# KiCad board bkp_austin.kicad_pcb (continued)
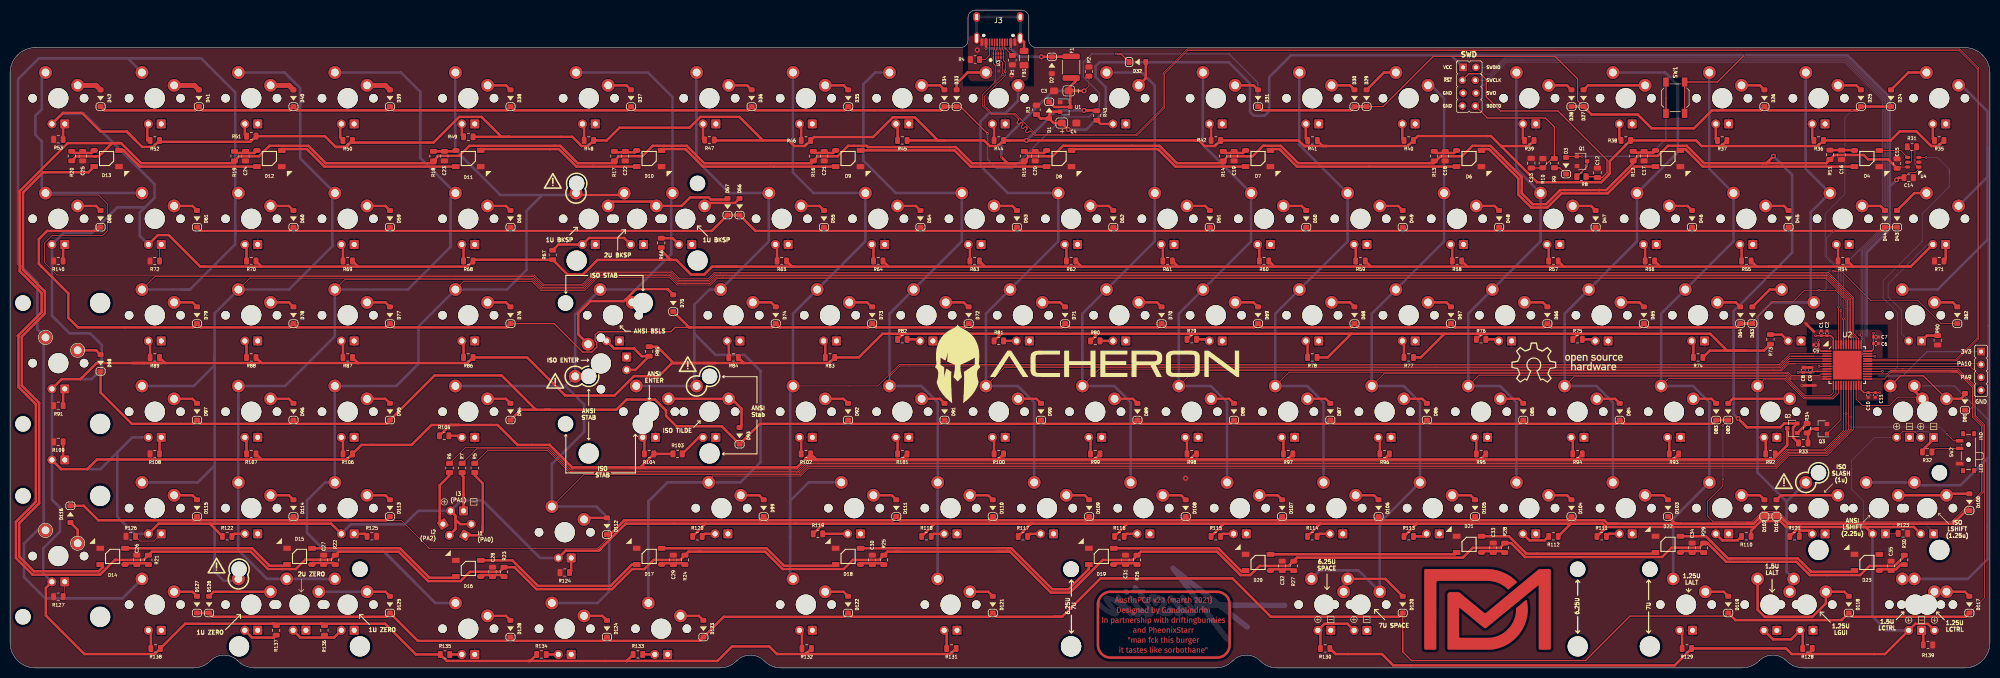
[diagram p0: board, top side]
## Placement (name value [footprint] x y rotation side) (continued)
R121  470R  [R_0805_2012Metric#2]  352.43 25.97 0 top
R122  470R  [R_0805_2012Metric#2]  42.86 25.97 0 top
R123  470R  [R_0805_2012Metric#2]  373.83 26.56 0 top
R124  470R  [R_0805_2012Metric#2]  109.54 18.83 180 top
R125  470R  [R_0805_2012Metric#2]  71.44 25.97 0 top
R126  470R  [R_0805_2012Metric#2]  23.81 25.97 0 top
R127  470R  [R_0805_2012Metric#2]  9.53 14.07 180 top
R128  470R  [R_0805_2012Metric#2]  354.97 3.84 180 top
R129  470R  [R_0805_2012Metric#2]  331.16 3.84 180 top
R130  470R  [R_0805_2012Metric#2]  259.72 3.84 180 top
R131  470R  [R_0805_2012Metric#2]  185.9 3.84 180 top
R132  470R  [R_0805_2012Metric#2]  157.32 3.84 180 top
R133  470R  [R_0805_2012Metric#2]  123.99 2.66 0 top
R134  470R  [R_0805_2012Metric#2]  104.94 2.65 0 top
R135  470R  [R_0805_2012Metric#2]  85.89 2.65 0 top
R136  470R  [R_0805_2012Metric#2]  62.07 7.41 270 top
R137  470R  [R_0805_2012Metric#2]  52.55 7.41 270 top
R138  470R  [R_0805_2012Metric#2]  28.74 3.84 180 top
R139  470R  [R_0805_2012Metric#2]  378.78 4.53 0 top
R140  470R  [R_0805_2012Metric#2]  9.53 80.36 180 top
SW1  -  [K2-1187SQ-A4SW-06]  328.87 112.61 270 top
SW2  PCM12SMTR  [SW_SPDT_PCM12]  386.46 42.6 90 top
SW3  MXSwitch  [MX100]  381 112.51 0 top
SW4  MXSwitch  [MX100]  357.19 112.51 0 top
SW5  MXSwitch  [MX100]  338.14 112.51 0 top
SW6  MXSwitch  [MX100]  319.09 112.51 0 top
SW7  MXSwitch  [MX100]  300.04 112.51 0 top
SW8  MXSwitch  [MX100]  276.23 112.51 0 top
SW9  MXSwitch  [MX100]  257.18 112.51 0 top
SW10  MXSwitch  [MX100]  238.12 112.51 0 top
SW11  MXSwitch  [MX100]  219.07 112.51 0 top
SW12  MXSwitch  [MX100]  195.26 112.51 0 top
SW13  MXSwitch  [MX100]  176.21 112.51 0 top
SW14  MXSwitch  [MX100]  157.16 112.51 0 top
SW15  MXSwitch  [MX100]  138.11 112.51 0 top
SW16  MXSwitch  [MX100]  114.3 112.51 0 top
SW17  MXSwitch  [MX100]  90.49 112.51 0 top
SW18  MXSwitch  [MX100]  66.67 112.51 0 top
SW19  MXSwitch  [MX100]  47.62 112.51 0 top
SW20  MXSwitch  [MX100]  28.58 112.51 0 top
SW21  MXSwitch  [MX100]  9.53 112.51 0 top
SW22  MXSwitch  [MX100]  381 88.7 0 top
SW23  MXSwitch  [MX100]  361.95 88.7 0 top
SW24  MXSwitch  [MX100]  342.9 88.7 0 top
SW25  MXSwitch  [MX100]  323.85 88.7 0 top
SW26  MXSwitch  [MX100]  304.8 88.7 0 top
SW27  MXSwitch  [MX100]  285.75 88.7 0 top
SW28  MXSwitch  [MX100]  266.7 88.7 0 top
SW29  MXSwitch  [MX100]  247.65 88.7 0 top
SW30  MXSwitch  [MX100]  228.6 88.7 0 top
SW31  MXSwitch  [MX100]  209.55 88.7 0 top
SW32  MXSwitch  [MX100]  190.5 88.7 0 top
SW33  MXSwitch  [MX100]  171.45 88.7 0 top
SW34  MXSwitch  [MX100]  152.4 88.7 0 top
SW35  MXSwitch  [MX100]  133.35 88.7 0 top
SW36  MXSwitch  [MX100]  114.3 88.7 0 top
SW37  MXSwitch  [MX100]  90.49 88.7 0 top
SW38  MXSwitch  [MX100]  66.67 88.7 0 top
SW39  MXSwitch  [MX100]  47.62 88.7 0 top
SW40  MXSwitch  [MX100]  28.58 88.7 0 top
SW41  MXSwitch  [MX200]  123.83 88.7 0 top
SW42  MXSwitch  [MX_ISOEnter_Horizontal]  116.68 60.12 0 top
SW43  MXSwitch  [MX150]  376.24 69.65 0 top
SW44  MXSwitch  [MX100]  352.43 69.65 0 top
SW45  MXSwitch  [MX100]  333.38 69.65 0 top
SW46  MXSwitch  [MX100]  314.32 69.65 0 top
SW47  MXSwitch  [MX100]  295.28 69.65 0 top
SW48  MXSwitch  [MX100]  276.23 69.65 0 top
SW49  MXSwitch  [MX100]  257.18 69.65 0 top
SW50  MXSwitch  [MX100]  238.12 69.65 0 top
SW51  MXSwitch  [MX100]  219.07 69.65 0 top
SW52  MXSwitch  [MX100]  200.03 69.65 0 top
SW53  MXSwitch  [MX100]  180.98 69.65 0 top
SW54  MXSwitch  [MX100]  161.93 69.65 0 top
SW55  MXSwitch  [MX100]  142.88 69.65 0 top
SW56  MXSwitch  [MX150]  119.06 69.65 0 top
SW57  MXSwitch  [MX100]  90.49 69.65 0 top
SW58  MXSwitch  [MX100]  66.67 69.65 0 top
SW59  MXSwitch  [MX100]  47.62 69.65 0 top
SW60  MXSwitch  [MX100]  28.58 69.65 0 top
SW61  MXSwitch  [MX100]  9.53 88.7 0 top
SW62  MXSwitch  [MX100]  138.11 50.6 0 top
SW63  MXSwitch  [MX175]  373.86 50.6 0 top
SW64  MXSwitch  [MX100]  347.66 50.6 0 top
SW65  MXSwitch  [MX100]  328.61 50.6 0 top
SW66  MXSwitch  [MX100]  309.56 50.6 0 top
SW67  MXSwitch  [MX100]  290.51 50.6 0 top
SW68  MXSwitch  [MX100]  271.46 50.6 0 top
SW69  MXSwitch  [MX100]  252.41 50.6 0 top
SW70  MXSwitch  [MX100]  233.36 50.6 0 top
SW71  MXSwitch  [MX100]  214.31 50.6 0 top
SW72  MXSwitch  [MX100]  195.26 50.6 0 top
SW73  MXSwitch  [MX100]  176.21 50.6 0 top
SW74  MXSwitch  [MX100]  157.16 50.6 0 top
SW75  MXSwitch  [MX225]  126.21 50.6 0 top
SW76  MXSwitch  [MX100]  90.49 50.6 0 top
SW77  MXSwitch  [MX100]  66.67 50.6 0 top
SW78  MXSwitch  [MX100]  47.62 50.6 0 top
SW79  MXSwitch  [MX100]  28.58 50.6 0 top
SW80  MXSwitch  [MX200RV]  9.53 60.12 270 top
SW81  MXSwitch  [MX125]  378.62 50.6 0 top
SW82  MXSwitch  [MX225]  369.09 31.55 0 top
SW83  MXSwitch  [MX175]  140.49 31.55 0 top
SW84  MXSwitch  [MX125]  378.62 31.55 0 top
SW85  MXSwitch  [MX100]  357.19 31.55 0 top
SW86  MXSwitch  [MX100]  338.14 31.55 0 top
SW87  MXSwitch  [MX100]  319.09 31.55 0 top
SW88  MXSwitch  [MX100]  300.04 31.55 0 top
SW89  MXSwitch  [MX100]  280.99 31.55 0 top
SW90  MXSwitch  [MX100]  261.94 31.55 0 top
SW91  MXSwitch  [MX100]  242.89 31.55 0 top
SW92  MXSwitch  [MX100]  223.84 31.55 0 top
SW93  MXSwitch  [MX100]  204.79 31.55 0 top
SW94  MXSwitch  [MX100]  185.74 31.55 0 top
SW95  MXSwitch  [MX100]  166.69 31.55 0 top
SW96  MXSwitch  [MX100]  109.54 26.78 0 top
SW97  MXSwitch  [MX100]  66.67 31.55 0 top
SW98  MXSwitch  [MX100]  47.62 31.55 0 top
SW99  MXSwitch  [MX100]  28.58 31.55 0 top
SW100  MXSwitch  [MX200RV]  9.53 22.02 270 top
SW101  MXSwitch  [MX125]  378.62 12.5 0 top
SW102  MXSwitch  [MX125]  354.81 12.5 0 top
SW103  MXSwitch  [MX625]  259.56 12.5 0 top
SW104  MXSwitch  [MX150]  185.74 12.5 0 top
SW105  MXSwitch  [MX150]  157.16 12.5 0 top
SW106  MXSwitch  [MX100]  128.59 7.73 0 top
SW107  MXSwitch  [MX100]  109.54 7.73 0 top
SW108  MXSwitch  [MX100]  66.67 12.5 0 top
SW109  MXSwitch  [MX100]  47.62 12.5 0 top
SW110  MXSwitch  [MX100]  28.58 12.5 0 top
SW111  MXSwitch  [MX150]  376.24 12.5 0 top
SW112  MXSwitch  [MX150]  347.66 12.5 0 top
SW113  MXSwitch  [MX125]  330.99 12.5 0 top
SW114  MXSwitch  [MX700]  266.7 12.5 0 top
SW115  MXSwitch  [MX100]  90.49 7.73 0 top
SW116  MXSwitch  [MX200]  57.15 12.5 0 top
U1  MCP1700T-3302E/TT  [SOT-23]  208.38 110.78 0 top
U2  STM32F072CBT6  [LQFP48_UFQFPN48_7x7mm_P0.5mm]  362.84 59.8 0 top
U3  TPD4E05U06DQAR  [USON-10_2.5x1.0mm_P0.5mm]  195.18 120.95 90 top
U4  TXS0101  [SOT-23-6]  375.86 99.87 180 top

## Library data of the parts
C1 C2 C5-C13 = -: Description: 10V more more MLCC capacitor; Package: C0402
C3 C4 = -: Description: 10V or more SMD CASE-A tantallum capacitor; Package: C3216 CASEA
C14-C35 = -: Description: MLCC 0805 10V or more; Package: C0805
D1 = -: Description: Schottky power rectifier diode; LCSC Part Number: C114257; Manufacturer: ROHM; Package: SOD-123
D2 = -: Description: Unidirectional 6V TVS; LCSC Part Number: C362319; Manufacturer: LGE; Package: SOD-123FL
D3 D24-D128 = -: Description: Small signal switching diode; Package: SOD-123
D4-D23 = -: Description: Intelligente control RGB LED with integrated control circuit; LCSC Part Number: C114587; Manufacturer: Worldsemi; Package: 5050
F1 = -: Description: 1.1A hold, 2.2A trip PTC resettable fuse; LCSC Part Number: C207188; Manufacturer: Littelfuse; Package: F1812
FB1 = -: Description: 120Ω @ 100MHz 1206 ferrite bead; LCSC Part Number: C139197; Manufacturer: Guangdong Fenghua Advanced Tech; Package: L1206
J3 = -: Description: 16-pin USB type C female connector; LCSC Part Number: C2760486; Manufacturer: Korean Hroparts
L5 = -: Field5: LOGO
Q1 = -: LCSC Part Number: C111724; Manufacturer: ROHM; Package: SOT-23
Q2 = -: LCSC Part Number: C15127; Manufacturer: Alpha and Omega Semicon; Package: SOT-23
Q3 = -: LCSC Part Number: C111724; Manufacturer: ROHM Semicon; Package: SOT-23
R1-R140 = -: Package: R0805
SW1 = -: Description: Surface mount 5x5mm tactile push buton; LCSC Part Number: C92584; Manufacturer: Korean Hroparts
SW2 = -: Description: SMD SPDT toggle switch; LCSC Part Number: C221841; Manufacturer: C&K
SW3 = -: Keycode: ESC
SW4 = -: Keycode: F1
SW5 = -: Keycode: F2
SW6 = -: Keycode: F3
SW7 = -: Keycode: F4
SW8 = -: Keycode: F5
SW9 = -: Keycode: F6
SW10 = -: Keycode: F7
SW11 = -: Keycode: F8
SW12 = -: Keycode: F9
SW13 = -: Keycode: F10
SW14 = -: Keycode: F11
SW15 = -: Keycode: F12
SW16 = -: Keycode: F13
SW17 = -: Keycode: SCRLK
SW18 = -: Keycode: PAUSE
SW19 = -: Keycode: HOME
SW20 = -: Keycode: END
SW21 = -: Keycode: DELETE
SW22 = -: Keycode: GRAVE
SW23 = -: Keycode: 1
SW24 = -: Keycode: 2
SW25 = -: Keycode: 3
SW26 = -: Keycode: 4
SW27 = -: Keycode: 5
SW28 = -: Keycode: 6
SW29 = -: Keycode: 7
SW30 = -: Keycode: 8
SW31 = -: Keycode: 9
SW32 = -: Keycode: 0
SW33 = -: Keycode: MINUS
SW34 = -: Keycode: EQL
SW35 = -: Keycode: LBKSP
SW36 = -: Keycode: RBKSP
SW37 = -: Keycode: INS
SW38 = -: Keycode: NUMLK
SW39 = -: Keycode: NSLS
SW40 = -: Keycode: NMUL
SW41 = -: Keycode: FULLBKSP
SW42 = -: Keycode: ISOENTER
SW43 = -: Keycode: TAB
SW44 = -: Keycode: Q
SW45 = -: Keycode: W
SW46 = -: Keycode: E
SW47 = -: Keycode: R
SW48 = -: Keycode: T
SW49 = -: Keycode: Y
SW50 = -: Keycode: U
SW51 = -: Keycode: I
SW52 = -: Keycode: O
SW53 = -: Keycode: P
SW54 = -: Keycode: LBRKT
SW55 = -: Keycode: RBRKT
SW56 = -: Keycode: BSLS
SW57 = -: Keycode: PGUP
SW58 = -: Keycode: N7
SW59 = -: Keycode: N8
SW60 = -: Keycode: N9
SW61 = -: Keycode: NMINUS
SW62 = -: Keycode: ISOTILDE
SW63 = -: Keycode: CAPS
SW64 = -: Keycode: A
SW65 = -: Keycode: S
SW66 = -: Keycode: D
SW67 = -: Keycode: F
SW68 = -: Keycode: G
SW69 = -: Keycode: H
SW70 = -: Keycode: J
SW71 = -: Keycode: K
SW72 = -: Keycode: L
SW73 = -: Keycode: COLON
SW74 = -: Keycode: QUOTE
SW75 = -: Keycode: ANSIENTER
SW76 = -: Keycode: PGDN
SW77 = -: Keycode: N4
SW78 = -: Keycode: N5
SW79 = -: Keycode: N6
SW80 = -: Keycode: NENTER
SW81 = -: Keycode: STEPPEDCAPS
SW82 = -: Keycode: ANSISHIFT
SW83 = -: Keycode: RSFT
SW84 = -: Keycode: ISOSHIFT
SW85 = -: Keycode: ISOSLS
SW86 = -: Keycode: Z
SW87 = -: Keycode: X
SW88 = -: Keycode: C
SW89 = -: Keycode: V
SW90 = -: Keycode: B
SW91 = -: Keycode: N
SW92 = -: Keycode: M
SW93 = -: Keycode: COMMA
SW94 = -: Keycode: DOT
SW95 = -: Keycode: SLS
SW96 = -: Keycode: UP
SW97 = -: Keycode: N1
SW98 = -: Keycode: N2
SW99 = -: Keycode: N3
SW100 = -: Keycode: NPLUS
SW101 = -: Keycode: (625) LCTRL
SW102 = -: Keycode: (625) LWIN
SW103 = -: Keycode: (625) SPC
SW104 = -: Keycode: RALT
SW105 = -: Keycode: RWIN
SW106 = -: Keycode: LEFT
SW107 = -: Keycode: DOWN
SW108 = -: Keycode: LZERO
SW109 = -: Keycode: RZERO
SW110 = -: Keycode: N0
SW111 = -: Keycode: (700) RCTRL
SW112 = -: Keycode: (700) LALT
SW113 = -: Keycode: (625) LALT
SW114 = -: Keycode: (700) SPC
SW115 = -: Keycode: RIGHT
SW116 = -: Keycode: 2UZERO
U1 = -: Description: 3.3V fixed linear dropout regulator; LCSC Part Number: C511277; Manufacturer: Microchip; Package: SOT-23
U2 = -: LCSC Part Number: C92504; Manufacturer: STMicroelectronics; Manufacturer Part Number: STM32F072CBU6; Package: UFQFPN48
U3 = -: LCSC Part Number: C138714; Manufacturer: Texas Instruments; Package: uSON-10
U4 = -: LCSC Part Number: C132604; Manufacturer: Texas Instruments; Manufacturer Part Number: TXS0101DBVR; Package: SOT-23-6

## Footprints (pads in the part's own frame, mm; a bottom-side part is the same pattern mirrored in y, then rotated)
austinLabel
  custom 26.5x13.5 smd: 1(0,6.5)
austinLogo_16x40_Plated
  custom 5.381x4.192 smd: 1(0.508,-1.905)
  custom 23.117x15.042 smd: 1(1.778,5.08)
  custom 4.954x4.287 smd: 1(5.588,0.508)
  custom 11.309x6.272 smd: 1(10.287,-1.143)
  custom 1.175x1.223 smd: 1(12.954,2.413)
C_0402_1005Metric
  rrect 0.56x0.62 smd: 1(-0.48,0) 2(0.48,0)
C_0805_2012Metric
  rrect 0.975x1.4 smd: 1(-0.938,0) 2(0.938,0)
C_0805_2012Metric#2
  rrect 1x1.45 smd: 1(-0.95,0) 2(0.95,0)
Conn_ARM_JTAG_SWD_8
  rect 1.524x1.524 hole 0.762: 1(-1.143,2.54)
  oval 1.524x1.524 hole 0.762: 2(1.397,2.54) 3(-1.27,0) 4(1.27,0) 5(-1.143,-2.54) 6(1.397,-2.54) 7(-1.27,-5.08) 8(1.27,-5.08)
CP_EIA-3216-10_Kemet-I_Pad1.58x1.35mm_HandSolder
  rrect 1.575x1.35 smd: 1(-1.438,0) 2(1.438,0)
D_SOD-123
  rrect 1x1.2 smd: 1(-1.65,0) 2(1.65,0)
driftMechanics_logo
  custom 20.416x15.917 smd: 1(-0.35,-2.1)
  custom 18.321x15.922 smd: 2(-11.4,6.8)
Fuse_1812_4532
  rrect 1.125x3.4 smd: 1(-2.138,0) 2(2.138,0)
K2-1187SQ-A4SW-06
  rect 1.8x1.1 smd: 1(-3.1,1.85) 1(3.1,1.85) 2(-3.1,-1.85) 2(3.1,-1.85)
L_1206_3216Metric
  rrect 1.25x1.75 smd: 1(-1.4,0) 2(1.4,0)
LED_THT_2.54mm
  round 0.889 smd: (-1.27,0) (1.27,0)
  round 1.778 hole 1.016: A(-1.27,0)
  rrect 1.778x1.778 hole 0.991: K(1.27,0)
LED_WS2812B_5.0x5.0mm_P3.2mm
  rrect 1.5x1 smd: 1(-2.45,1.6)
  trapezoid 1.5x1 smd: 2(-2.45,-1.6) 3(2.45,-1.6) 4(2.45,1.6)
LQFP48_UFQFPN48_7x7mm_P0.5mm
  rrect 1.1x1.1 smd: (-2.04,2.04) (-2.04,0.68) (-2.04,-0.68) (-2.04,-2.04) (-0.68,2.04) (-0.68,0.68) (-0.68,-0.68) (-0.68,-2.04) (0.68,2.04) (0.68,0.68) (0.68,-0.68) (0.68,-2.04) (2.04,2.04) (2.04,0.68) (2.04,-0.68) (2.04,-2.04)
  oval 1.8x0.3 smd: 1(-4,2.75)
  rect 1.8x0.3 smd: 2(-4,2.25) 3(-4,1.75) 4(-4,1.25) 5(-4,0.75) 6(-4,0.25) 7(-4,-0.25) 8(-4,-0.75) 9(-4,-1.25) 10(-4,-1.75) 11(-4,-2.25) 12(-4,-2.75) 25(4,-2.75) 26(4,-2.25) 27(4,-1.75) 28(4,-1.25) 29(4,-0.75) 30(4,-0.25) 31(4,0.25) 32(4,0.75) 33(4,1.25) 34(4,1.75) 35(4,2.25) 36(4,2.75)
  rect 0.3x1.8 smd: 13(-2.75,-4) 14(-2.25,-4) 15(-1.75,-4) 16(-1.25,-4) 17(-0.75,-4) 18(-0.25,-4) 19(0.25,-4) 20(0.75,-4) 21(1.25,-4) 22(1.75,-4) 23(2.25,-4) 24(2.75,-4) 37(2.75,4) 38(2.25,4) 39(1.75,4) 40(1.25,4) 41(0.75,4) 42(0.25,4) 43(-0.25,4) 44(-0.75,4) 45(-1.25,4) 46(-1.75,4) 47(-2.25,4) 48(-2.75,4)
  rect 5.6x5.6 smd: 49(0,0)
MX100
  round 1.702 hole 1.702 unplated: (-5.08,0) (5.08,0)
  round 1.524 smd: (-2.54,5.08) (3.81,2.54)
  round 3.988 hole 3.988 unplated: (0,0)
  round 2.54 hole 1.524: 1(-2.54,5.08) 2(3.81,2.54)
MX125
  round 1.702 hole 1.702 unplated: (-5.08,0) (5.08,0)
  round 1.524 smd: (-2.54,5.08) (3.81,2.54)
  round 3.988 hole 3.988 unplated: (0,0)
  round 2.54 hole 1.524: 1(-2.54,5.08) 2(3.81,2.54)
MX150
  round 1.702 hole 1.702 unplated: (-5.08,0) (5.08,0)
  round 1.524 smd: (-2.54,5.08) (3.81,2.54)
  round 3.988 hole 3.988 unplated: (0,0)
  round 2.54 hole 1.524: 1(-2.54,5.08) 2(3.81,2.54)
MX175
  round 1.702 hole 1.702 unplated: (-5.08,0) (5.08,0)
  round 1.524 smd: (-2.54,5.08) (3.81,2.54)
  round 3.988 hole 3.988 unplated: (0,0)
  round 2.54 hole 1.524: 1(-2.54,5.08) 2(3.81,2.54)
MX200
  round 3.048 hole 3.048 unplated: (-11.938,6.985) (11.938,6.985)
  round 3.988 hole 3.988 unplated: (-11.938,-8.255) (0,0) (11.938,-8.255)
  round 1.702 hole 1.702 unplated: (-5.08,0) (5.08,0)
  round 1.524 smd: (-2.54,5.08) (3.81,2.54)
  round 2.54 hole 1.524: 1(-2.54,5.08) 2(3.81,2.54)
MX200RV
  round 3.988 hole 3.988 unplated: (-11.938,8.255) (-0.064,0) (11.938,8.255)
  round 3.048 hole 3.048 unplated: (-11.938,-6.985) (11.938,-6.985)
  round 1.702 hole 1.702 unplated: (-0.064,5.08) (-0.064,-5.08)
  round 2.54 hole 1.524: 1(-5.144,-2.54) 2(-2.603,3.81)
MX225
  round 3.048 hole 3.048 unplated: (-11.938,6.985) (11.938,6.985)
  round 3.988 hole 3.988 unplated: (-11.938,-8.255) (0,0) (11.938,-8.255)
  round 1.702 hole 1.702 unplated: (-5.08,0) (5.08,0)
  round 1.524 smd: (-2.54,5.08) (3.81,2.54)
  round 2.54 hole 1.524: 1(-2.54,5.08) 2(3.81,2.54)
MX625
  round 3.048 hole 3.048 unplated: (-50.038,6.985) (50.038,6.985)
  round 3.988 hole 3.988 unplated: (-50.038,-8.255) (0,0) (50.038,-8.255)
  round 1.702 hole 1.702 unplated: (-5.08,0) (5.08,0)
  round 1.524 smd: (-2.54,5.08) (3.81,2.54)
  round 2.54 hole 1.524: 1(-2.54,5.08) 2(3.81,2.54)
MX700
  round 3.048 hole 3.048 unplated: (-57.15,6.985) (57.15,6.985)
  round 3.988 hole 3.988 unplated: (-57.15,-8.255) (0,0) (57.15,-8.255)
  round 1.702 hole 1.702 unplated: (-5.08,0) (5.08,0)
  round 1.524 smd: (-2.54,5.08) (3.81,2.54)
  round 2.54 hole 1.524: 1(-2.54,5.08) 2(3.81,2.54)
MX_ISOEnter_Horizontal
  round 3.048 hole 3.048 unplated: (-6.985,11.938) (-6.985,-11.938)
  round 1.524 smd: (-5.08,-2.54) (-2.54,3.81)
  round 1.702 hole 1.702 unplated: (0,5.08) (0,-5.08)
  round 3.988 hole 3.988 unplated: (0,0) (8.255,11.938) (8.255,-11.938)
  round 2.54 hole 1.524: 1(-5.08,-2.54) 2(-2.54,3.81)
PinHeader_1x4_P2.54mm_Vertical
  rect 1.524x1.524 hole 0.762: 1(0,3.81)
  oval 1.524x1.524 hole 0.762: 2(0,1.27) 3(0,-1.27) 4(0,-3.81)
R_0805_2012Metric
  rrect 1.025x1.4 smd: 1(-0.912,0) 2(0.912,0)
R_0805_2012Metric#2
  rrect 0.975x1.4 smd: 1(-0.938,0) 2(0.938,0)
SOT-23
  rect 0.9x0.8 smd: 1(-1,0.95) 2(-1,-0.95) 3(1,0)
SOT-23-6
  rect 1.06x0.65 smd: 1(-1.1,0.95)
  rrect 1.06x0.65 smd: 2(-1.1,0) 3(-1.1,-0.95) 4(1.1,-0.95) 5(1.1,0) 6(1.1,0.95)
SW_SPDT_PCM12
  rect 1x0.8 smd: (-3.65,0.78) (-3.65,-1.43) (3.65,0.78) (3.65,-1.43)
  round 0.9 hole 0.9 unplated: (-1.5,-0.33) (1.5,-0.33)
  rect 0.7x1.5 smd: 1(-2.25,1.43) 2(0.75,1.43) 3(2.25,1.43)
TYPE-C-31-M-12
  round 0.65 hole 0.65 unplated: (-2.89,-2.051) (2.89,-2.051)
  rrect 0.6x1.45 smd: A1(-3.25,-0.725) A4(-2.45,-0.725) B1(3.25,-0.725) B4(2.45,-0.725)
  rrect 0.3x1.45 smd: A5(-1.25,-0.725) A6(-0.254,-0.725) A7(0.25,-0.725) A8(1.25,-0.725) B5(1.75,-0.725) B6(0.75,-0.725) B7(-0.75,-0.725) B8(-1.75,-0.725)
  oval 1.1x2.2 hole 0.6x1.7: S(-4.3,-1.5) S(4.3,-1.5)
  oval 1.3x1.9 hole 0.6x1.2: S(-4.3,-5.7) S(4.3,-5.7)
USON-10_2.5x1.0mm_P0.5mm
  rrect 0.55x0.25 smd: 1(-0.385,1)
  rect 0.55x0.25 smd: 2(-0.385,0.5) 4(-0.385,-0.5) 5(-0.385,-1) 6(0.385,-1) 7(0.385,-0.5) 9(0.385,0.5) 10(0.385,1)
  rect 0.55x0.3 smd: 3(-0.385,0) 8(0.385,0)

## Nets
3V3: C1.2 C2.2 C4.1 C5.1 C6.2 C7.2 C8.2 C9.2 C10.2 C11.2 C14.1 D1.2 J1.1 J2.1 R3.1 R31.2 SW1.1 U1.2 U2.1 U2.9 U2.24 U2.36 U2.48 U4.1
5V: C3.1 C15.1 D1.1 F1.1 Q2.2 R2.1 R11.2 R12.2 R13.2 R14.2 R15.2 R16.2 R17.2 R18.2 R19.2 R20.2 R21.2 R22.2 R23.2 R24.2 R25.2 R26.2 R27.2 R28.2 R29.2 R30.2 R33.1 U1.3 U4.6
GND: C1.1 C2.1 C3.2 C4.2 C5.2 C6.1 C7.1 C8.1 C9.1 C10.1 C11.1 C12.2 C13.1 C14.2 C15.2 C16.1 C17.1 C18.1 C19.1 C20.1 C21.1 C22.1 C23.1 C24.1 C25.1 C26.1 C27.1 C28.1 C29.1 C30.1 C31.1 C32.1 C33.1 C34.1 C35.1 D2.2 D4.3 D5.3 D6.3 D7.3 D8.3 D9.3 D10.3 D11.3 D12.3 D13.3 D14.3 D15.3 D16.3 D17.3 D18.3 D19.3 D20.3 D21.3 D22.3 D23.3 FB1.1 J1.4 J2.5 J2.7 J3.A1 J3.B1 LED4.K LED5.K LED6.K LED7.K LED8.K LED9.K LED10.K LED11.K LED12.K LED13.K LED14.K LED15.K LED16.K LED17.K LED18.K LED19.K LED20.K LED21.K LED24.K LED25.K LED26.K LED27.K LED28.K LED29.K LED30.K LED31.K LED32.K LED33.K LED34.K LED35.K LED36.K LED37.K LED38.K LED39.K LED40.K LED41.K LED44.K LED45.K LED46.K LED47.K LED48.K LED49.K LED50.K LED51.K LED52.K LED53.K LED54.K LED55.K LED56.K LED57.K LED58.K LED59.K LED60.K LED61.K LED64.K LED65.K LED66.K LED67.K LED68.K LED69.K LED70.K LED71.K LED72.K LED73.K LED74.K LED75.K LED76.K LED77.K LED78.K LED79.K LED86.K LED87.K LED88.K LED89.K LED90.K LED91.K LED92.K LED93.K LED94.K LED95.K LED96.K LED97.K LED98.K LED102.K LED103.K LED104.K LED105.K LED106.K LED107.K LED108.K LED109.K LED110.K LED111.K LED112.K LED113.K LED114.K LED115.K Q1.2 Q3.2 R1.1 R2.2 R3.2 R4.1 R10.2 R53.2 R71.2 R72.2 R90.1 R91.2 R108.2 R109.2 R123.2 R124.2 R125.2 R126.1 R127.2 R139.2 R140.2 SW2.1 U1.1 U2.8 U2.23 U2.35 U2.47 U2.49 U3.3 U3.8 U4.2
GNDPWR: FB1.2 J3.S
VBUS: D2.1 F1.2 J3.A4 J3.B4
BOOT0: C13.2 J2.8 R9.2 R10.1 U2.44
Col1: SW3.2 SW22.2 SW43.1 SW63.2 SW81.1 SW82.1 SW84.1 SW101.1 SW111.1 U2.22
Col2: SW4.1 SW23.1 SW44.2 SW64.1 SW85.1 SW102.1 SW112.2 U2.15
Col3: SW5.1 SW24.1 SW45.1 SW65.1 SW86.1 SW113.1 U2.14
Col4: SW6.1 SW25.1 SW46.1 SW66.1 SW87.1 U2.13
Col5: SW7.1 SW26.1 SW47.1 SW67.1 SW88.1 U2.12
Col6: SW8.2 SW27.1 SW48.1 SW68.1 SW89.1 SW103.1 SW114.2 U2.11
Col7: SW9.1 SW28.1 SW49.1 SW69.1 SW90.1 U2.10
Col8: SW10.1 SW29.1 SW50.1 SW70.1 SW91.1 U2.6
Col9: SW11.1 SW30.1 SW51.1 SW71.1 SW92.1 U2.5
Col10: SW12.2 SW31.1 SW52.1 SW72.1 SW93.1 U2.4
Col11: SW13.1 SW32.1 SW53.1 SW73.1 SW94.1 SW104.1 U2.3
Col12: SW14.1 SW33.1 SW54.1 SW74.1 SW95.1 SW105.1 U2.2
Col13: SW15.1 SW34.1 SW55.1 SW62.1 SW75.1 SW83.1 SW106.1 U2.21
Col14: SW16.1 SW35.1 SW42.1 SW56.1 SW76.1 SW96.1 SW107.1 U2.20
Col15: SW17.1 SW36.1 SW41.1 SW57.1 SW77.1 SW97.1 SW115.1 U2.42
Col16: SW18.1 SW37.1 SW58.1 SW78.1 SW98.1 SW108.1 SW116.1 U2.41
Col17: SW19.1 SW38.1 SW59.1 SW79.1 SW99.1 SW109.1 U2.40
Col18: SW20.1 SW39.1 SW60.1 SW80.1 SW100.1 SW110.1 U2.39
Col19: SW21.1 SW40.1 SW61.1 U2.38
D+: J3.A6 J3.B6 U2.33 U3.1 U3.4 U3.7 U3.10
D-: J3.A7 J3.B7 U2.32 U3.2 U3.5 U3.6 U3.9
EXTRA1: J1.2 U2.31
EXTRA2: J1.3 U2.30
INDICATOR1: R5.2 U2.19
INDICATOR2: R6.1 U2.17
INDICATOR3: R7.1 SW2.3 U2.18
LED_PWM: Q3.1 U2.16
LED_SIGNAL: LED1.A LED2.A LED3.A LED22.A LED23.A LED42.A LED43.A LED62.A LED63.A LED80.A LED81.A LED82.A LED83.A LED84.A LED85.A LED99.A LED100.A LED101.A LEDCAPS1.A LEDNUM1.A LEDSCR1.A Q2.3 R35.1 R36.1 R37.1 R38.1 R39.1 R40.1 R41.1 R42.1 R43.1 R44.1 R45.1 R46.1 R47.1 R48.1 R49.1 R50.1 R51.1 R52.1 R54.1 R55.1 R56.1 R57.1 R58.1 R59.1 R60.1 R61.1 R62.1 R63.1 R64.1 R65.1 R66.1 R67.1 R68.1 R69.1 R70.1 R73.1 R74.1 R75.1 R76.1 R77.1 R78.1 R79.1 R80.1 R81.1 R82.1 R83.1 R84.1 R85.1 R86.1 R87.1 R88.1 R89.1 R92.1 R93.1 R94.1 R95.1 R96.1 R97.1 R98.1 R99.1 R100.1 R101.1 R102.1 R103.1 R104.1 R105.1 R106.1 R107.1 R110.1 R111.1 R112.1 R113.1 R114.1 R115.1 R116.1 R117.1 R118.1 R119.1 R120.1 R121.1 R122.1 R128.1 R129.1 R130.1 R131.1 R132.1 R133.1 R134.1 R135.1 R136.1 R137.1 R138.1
NRST: C12.1 J2.3 R8.2 U2.7
RGB_3V3: U2.28 U4.3
RGB_5V: D4.4 U4.4
Row1: D24.1 D25.1 D26.1 D27.1 D28.1 D29.1 D30.1 D31.1 D32.1 D33.1 D34.1 D35.1 D36.1 D37.1 D38.1 D39.1 D40.1 D41.1 D42.1 U2.46
Row2: D43.1 D44.1 D45.1 D46.1 D47.1 D48.1 D49.1 D50.1 D51.1 D52.1 D53.1 D54.1 D55.1 D56.1 D57.1 D58.1 D59.1 D60.1 D61.1 U2.45
Row3: D62.1 D63.1 D64.1 D65.1 D66.1 D67.1 D68.1 D69.1 D70.1 D71.1 D72.1 D73.1 D74.1 D75.1 D76.1 D77.1 D78.1 D79.1 D80.1 U2.43
Row4: D81.1 D82.1 D83.1 D84.1 D85.1 D86.1 D87.1 D88.1 D89.1 D90.1 D91.1 D92.1 D93.1 D94.1 D95.1 D96.1 D97.1 D98.1 U2.25
Row5: D99.1 D100.1 D101.1 D102.1 D103.1 D104.1 D105.1 D106.1 D107.1 D108.1 D109.1 D110.1 D111.1 D112.1 D113.1 D114.1 D115.1 D116.1 U2.27
Row6: D117.1 D118.1 D119.1 D120.1 D121.1 D122.1 D123.1 D124.1 D125.1 D126.1 D127.1 D128.1 U2.29
SWCLK: J2.4 U2.37
SWDIO: J2.2 U2.34
SWO: J2.6
Net-(C16-Pad2): C16.2 D4.1 R11.1
Net-(C17-Pad2): C17.2 D5.1 R12.1
Net-(C18-Pad2): C18.2 D6.1 R13.1
Net-(C19-Pad2): C19.2 D7.1 R14.1
Net-(C20-Pad2): C20.2 D8.1 R15.1
Net-(C21-Pad2): C21.2 D9.1 R16.1
Net-(C22-Pad2): C22.2 D10.1 R17.1
Net-(C23-Pad2): C23.2 D11.1 R18.1
Net-(C24-Pad2): C24.2 D12.1 R19.1
Net-(C25-Pad2): C25.2 D13.1 R20.1
Net-(C26-Pad2): C26.2 D14.1 R21.1
Net-(C27-Pad2): C27.2 D15.1 R22.1
Net-(C28-Pad2): C28.2 D16.1 R23.1
Net-(C29-Pad2): C29.2 D17.1 R24.1
Net-(C30-Pad2): C30.2 D18.1 R25.1
Net-(C31-Pad2): C31.2 D19.1 R26.1
Net-(C32-Pad2): C32.2 D20.1 R27.1
Net-(C33-Pad2): C33.2 D21.1 R28.1
Net-(C34-Pad2): C34.2 D22.1 R29.1
Net-(C35-Pad2): C35.2 D23.1 R30.1
Net-(D3-Pad1): D3.1 R9.1
Net-(D3-Pad2): D3.2 Q1.1 SW1.2
Net-(D4-Pad2): D4.2 D5.4
Net-(D5-Pad2): D5.2 D6.4
Net-(D6-Pad2): D6.2 D7.4
Net-(D7-Pad2): D7.2 D8.4
Net-(D8-Pad2): D8.2 D9.4
Net-(D10-Pad2): D10.2 D11.4
Net-(D10-Pad4): D9.2 D10.4
Net-(D11-Pad2): D11.2 D12.4
Net-(D12-Pad2): D12.2 D13.4
Net-(D13-Pad2): D13.2 D14.4
Net-(D14-Pad2): D14.2 D15.4
Net-(D15-Pad2): D15.2 D16.4
Net-(D16-Pad2): D16.2 D17.4
Net-(D17-Pad2): D17.2 D18.4
Net-(D18-Pad2): D18.2 D19.4
Net-(D19-Pad2): D19.2 D20.4
Net-(D20-Pad2): D20.2 D21.4
Net-(D21-Pad2): D21.2 D22.4
Net-(D22-Pad2): D22.2 D23.4
Net-(D24-Pad2): D24.2 SW3.1
Net-(D25-Pad2): D25.2 SW4.2
Net-(D26-Pad2): D26.2 SW5.2
Net-(D27-Pad2): D27.2 SW6.2
Net-(D28-Pad2): D28.2 SW7.2
Net-(D29-Pad2): D29.2 SW8.1
Net-(D30-Pad2): D30.2 SW9.2
Net-(D31-Pad2): D31.2 SW10.2
Net-(D32-Pad2): D32.2 SW11.2
Net-(D33-Pad2): D33.2 SW12.1
Net-(D34-Pad2): D34.2 SW13.2
Net-(D35-Pad2): D35.2 SW14.2
Net-(D36-Pad2): D36.2 SW15.2
Net-(D37-Pad2): D37.2 SW16.2
Net-(D38-Pad2): D38.2 SW17.2
Net-(D39-Pad2): D39.2 SW18.2
Net-(D40-Pad2): D40.2 SW19.2
Net-(D41-Pad2): D41.2 SW20.2
Net-(D42-Pad2): D42.2 SW21.2
Net-(D43-Pad2): D43.2 SW22.1
Net-(D44-Pad2): D44.2 SW23.2
Net-(D45-Pad2): D45.2 SW24.2
Net-(D46-Pad2): D46.2 SW25.2
Net-(D47-Pad2): D47.2 SW26.2
Net-(D48-Pad2): D48.2 SW27.2
Net-(D49-Pad2): D49.2 SW28.2
Net-(D50-Pad2): D50.2 SW29.2
Net-(D51-Pad2): D51.2 SW30.2
Net-(D52-Pad2): D52.2 SW31.2
Net-(D53-Pad2): D53.2 SW32.2
Net-(D54-Pad2): D54.2 SW33.2
Net-(D55-Pad2): D55.2 SW34.2
Net-(D56-Pad2): D56.2 SW35.2
Net-(D57-Pad2): D57.2 SW36.2 SW41.2
Net-(D58-Pad2): D58.2 SW37.2
Net-(D59-Pad2): D59.2 SW38.2
Net-(D60-Pad2): D60.2 SW39.2
Net-(D61-Pad2): D61.2 SW40.2
Net-(D62-Pad2): D62.2 SW43.2
Net-(D63-Pad2): D63.2 SW44.1
Net-(D64-Pad2): D64.2 SW45.2
Net-(D65-Pad2): D65.2 SW46.2
Net-(D66-Pad2): D66.2 SW47.2
Net-(D67-Pad2): D67.2 SW48.2
Net-(D68-Pad2): D68.2 SW49.2
Net-(D69-Pad2): D69.2 SW50.2
Net-(D70-Pad2): D70.2 SW51.2
Net-(D71-Pad2): D71.2 SW52.2
Net-(D72-Pad2): D72.2 SW53.2
Net-(D73-Pad2): D73.2 SW54.2
Net-(D74-Pad2): D74.2 SW55.2
Net-(D75-Pad2): D75.2 SW42.2 SW56.2
Net-(D76-Pad2): D76.2 SW57.2
Net-(D77-Pad2): D77.2 SW58.2
Net-(D78-Pad2): D78.2 SW59.2
Net-(D79-Pad2): D79.2 SW60.2
Net-(D80-Pad2): D80.2 SW61.2
Net-(D81-Pad2): D81.2 SW63.1 SW81.2
Net-(D82-Pad2): D82.2 SW64.2
Net-(D83-Pad2): D83.2 SW65.2
Net-(D84-Pad2): D84.2 SW66.2
Net-(D85-Pad2): D85.2 SW67.2
Net-(D86-Pad2): D86.2 SW68.2
Net-(D87-Pad2): D87.2 SW69.2
Net-(D88-Pad2): D88.2 SW70.2
Net-(D89-Pad2): D89.2 SW71.2
Net-(D90-Pad2): D90.2 SW72.2
Net-(D91-Pad2): D91.2 SW73.2
Net-(D92-Pad2): D92.2 SW74.2
Net-(D93-Pad2): D93.2 SW62.2 SW75.2
Net-(D94-Pad2): D94.2 SW76.2
Net-(D95-Pad2): D95.2 SW77.2
Net-(D96-Pad2): D96.2 SW78.2
Net-(D97-Pad2): D97.2 SW79.2
Net-(D98-Pad2): D98.2 SW80.2
Net-(D99-Pad2): D99.2 SW83.2
Net-(D100-Pad2): D100.2 SW82.2 SW84.2
Net-(D101-Pad2): D101.2 SW85.2
Net-(D102-Pad2): D102.2 SW86.2
Net-(D103-Pad2): D103.2 SW87.2
Net-(D104-Pad2): D104.2 SW88.2
Net-(D105-Pad2): D105.2 SW89.2
Net-(D106-Pad2): D106.2 SW90.2
Net-(D107-Pad2): D107.2 SW91.2
Net-(D108-Pad2): D108.2 SW92.2
Net-(D109-Pad2): D109.2 SW93.2
Net-(D110-Pad2): D110.2 SW94.2
Net-(D111-Pad2): D111.2 SW95.2
Net-(D112-Pad2): D112.2 SW96.2
Net-(D113-Pad2): D113.2 SW97.2
Net-(D114-Pad2): D114.2 SW98.2
Net-(D115-Pad2): D115.2 SW99.2
Net-(D116-Pad2): D116.2 SW100.2
Net-(D117-Pad2): D117.2 SW101.2 SW111.2
Net-(D118-Pad2): D118.2 SW102.2 SW112.1
Net-(D119-Pad2): D119.2 SW113.2
Net-(D120-Pad2): D120.2 SW103.2 SW114.1
Net-(D121-Pad2): D121.2 SW104.2
Net-(D122-Pad2): D122.2 SW105.2
Net-(D123-Pad2): D123.2 SW106.2
Net-(D124-Pad2): D124.2 SW107.2
Net-(D125-Pad2): D125.2 SW108.2 SW116.2
Net-(D126-Pad2): D126.2 SW109.2
Net-(D127-Pad2): D127.2 SW110.2
Net-(D128-Pad2): D128.2 SW115.2
Net-(J3-PadA5): J3.A5 R1.2
Net-(J3-PadB5): J3.B5 R4.2
Net-(LED1-PadK): LED1.K LED2.K R32.2
Net-(LED3-PadK): LED3.K R53.1
Net-(LED4-PadA): LED4.A R35.2
Net-(LED5-PadA): LED5.A R36.2
Net-(LED6-PadA): LED6.A R37.2
Net-(LED7-PadA): LED7.A R38.2
Net-(LED8-PadA): LED8.A R39.2
Net-(LED9-PadA): LED9.A R40.2
Net-(LED10-PadA): LED10.A R41.2
Net-(LED11-PadA): LED11.A R42.2
Net-(LED12-PadA): LED12.A R43.2
Net-(LED13-PadA): LED13.A R44.2
Net-(LED14-PadA): LED14.A R45.2
Net-(LED15-PadA): LED15.A R46.2
Net-(LED16-PadA): LED16.A R47.2
Net-(LED17-PadA): LED17.A R48.2
Net-(LED18-PadA): LED18.A R49.2
Net-(LED19-PadA): LED19.A R50.2
Net-(LED20-PadA): LED20.A R51.2
Net-(LED21-PadA): LED21.A R52.2
Net-(LED22-PadK): LED22.K R71.1
Net-(LED23-PadK): LED23.K R72.1
Net-(LED24-PadA): LED24.A R54.2
Net-(LED25-PadA): LED25.A R55.2
Net-(LED26-PadA): LED26.A R56.2
Net-(LED27-PadA): LED27.A R57.2
Net-(LED28-PadA): LED28.A R58.2
Net-(LED29-PadA): LED29.A R59.2
Net-(LED30-PadA): LED30.A R60.2
Net-(LED31-PadA): LED31.A R61.2
Net-(LED32-PadA): LED32.A R62.2
Net-(LED33-PadA): LED33.A R63.2
Net-(LED34-PadA): LED34.A R64.2
Net-(LED35-PadA): LED35.A R65.2
Net-(LED36-PadA): LED36.A R66.2
Net-(LED37-PadA): LED37.A LED38.A R67.2
Net-(LED39-PadA): LED39.A R68.2
Net-(LED40-PadA): LED40.A R69.2
Net-(LED41-PadA): LED41.A R70.2
Net-(LED42-PadK): LED42.K R90.2
Net-(LED43-PadK): LED43.K R91.1
Net-(LED44-PadA): LED44.A R73.2
Net-(LED45-PadA): LED45.A R74.2
Net-(LED46-PadA): LED46.A R75.2
Net-(LED47-PadA): LED47.A R76.2
